# Altium PCB Urukul.PcbDoc (part 6 of 12)
Units mm, origin at the board's own origin, x right, y up, seen from the top; angles counter-clockwise.
Board outline 160.99 x 100 mm, 6 copper layers (L1, P2, L3, L4, P5, L6), stack 1.648 mm thick; 971 components, 541 nets, 3373 pads, 2358 vias.
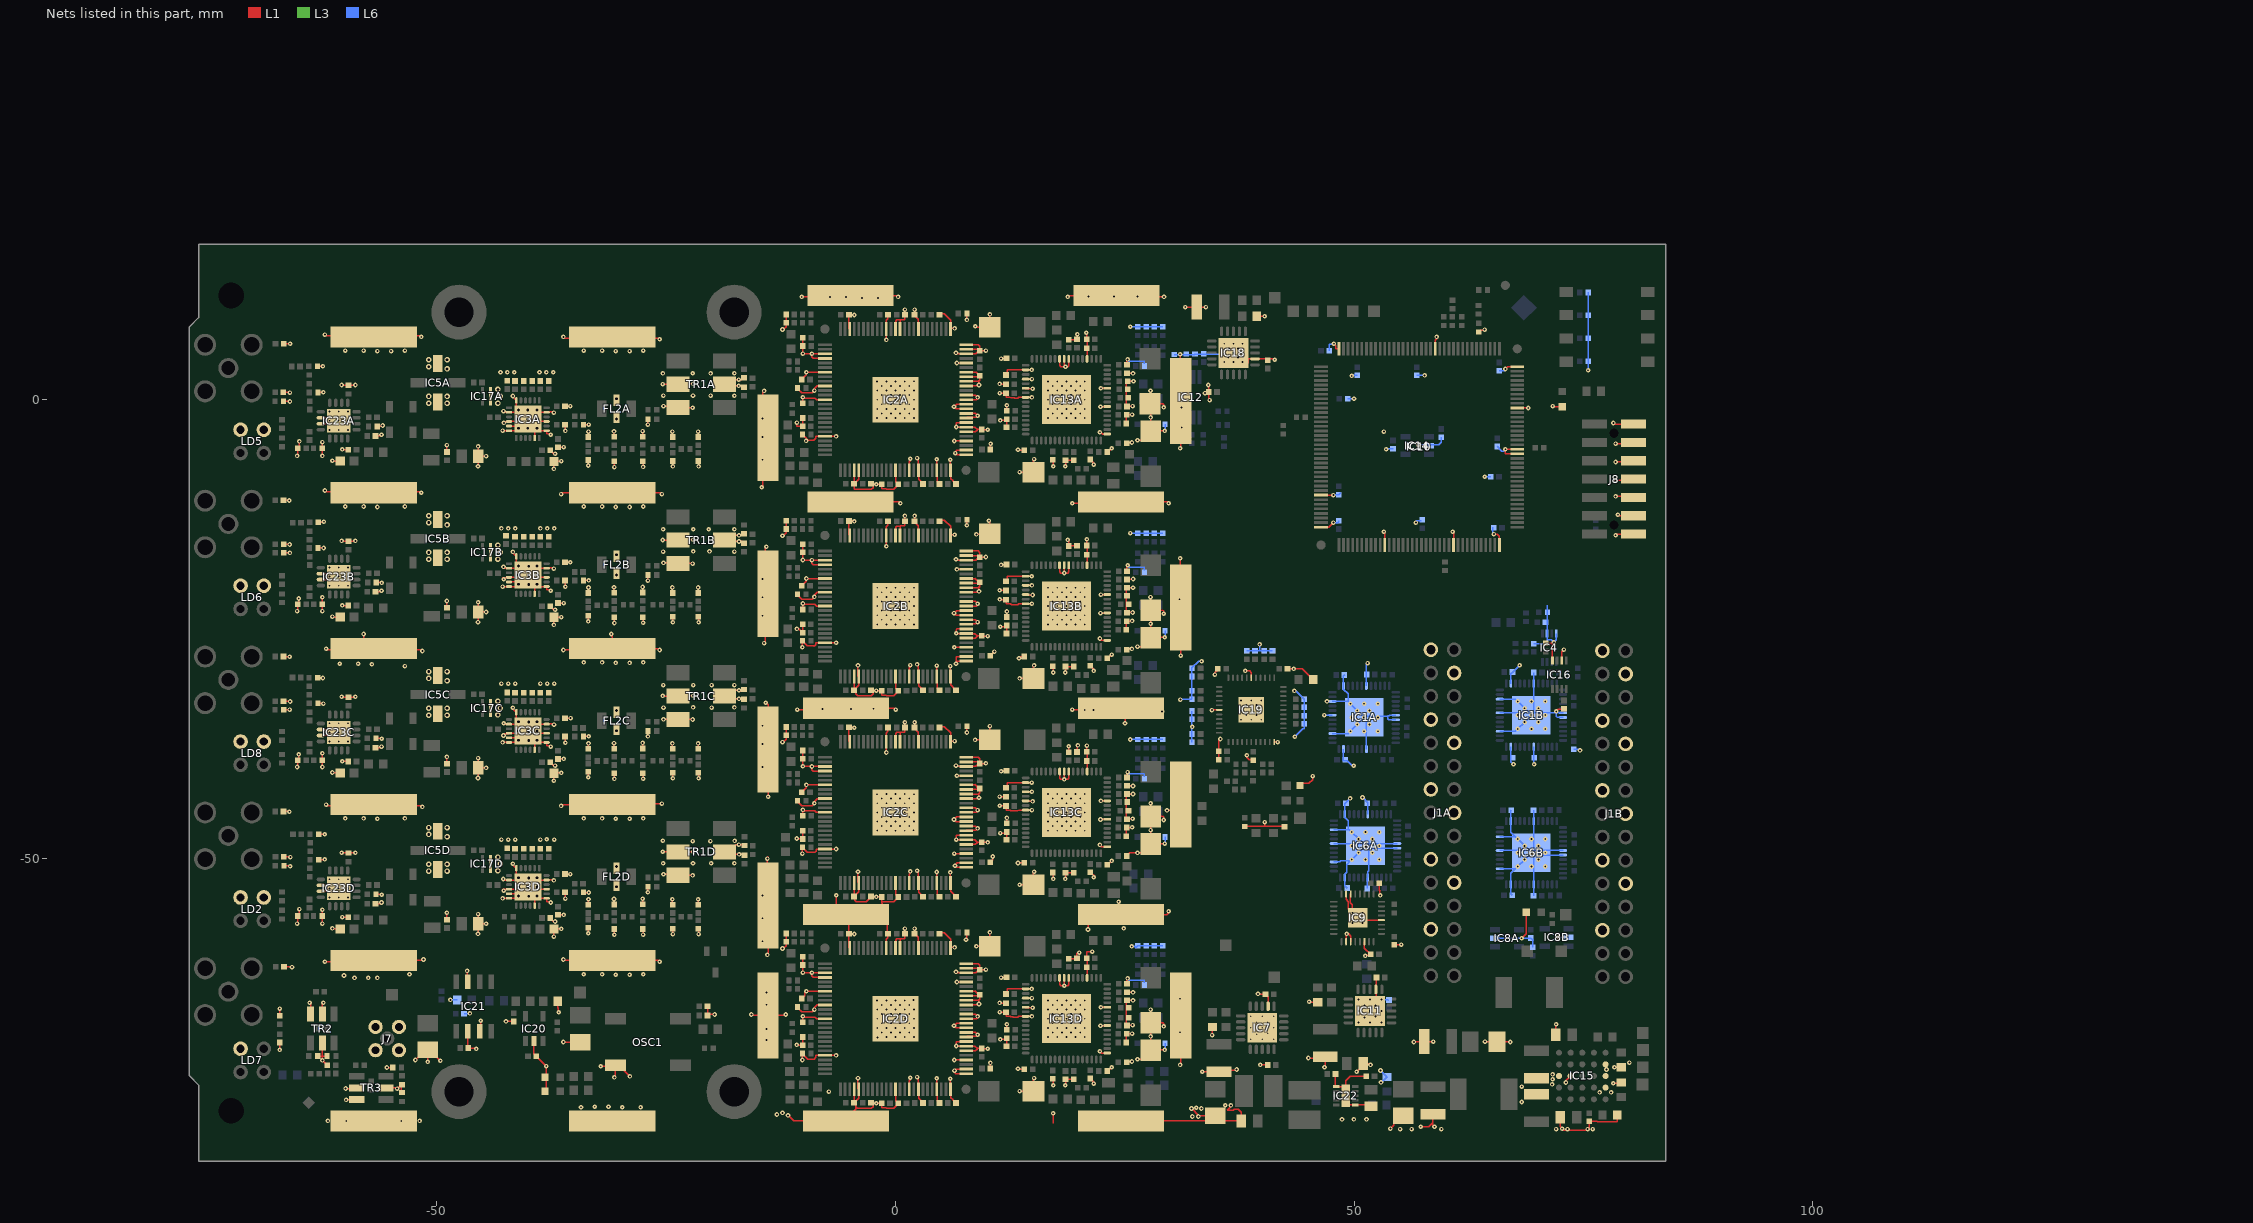
[diagram p10: the nets of this part, all layers, seen from the top]

## Via types
v1: diameter 0.5, hole 0.2, L1 to L6, tented both sides, 2267 vias
v2: diameter 0.6, hole 0.3, L1 to L6, tented both sides, 88 vias
v3: diameter 0.5, hole 0.2, L1 to L6, 3 vias

## Nets (pads, with @x,y where several pads share a name; then routed paths per layer and width w, separated by ;. In a path a pad name is that pad's centre, name@x,y a point inside that pad or via, vN(x,y) a via of type N, cw(c..) or ccw(c..) an arc to the next point about the centre after c; other vN are vias at no path point) (continued)
GND: (continued)
  L1 w0.152: v1(-67.15,-70.903) C42.1@-67.15,-70.103 ; R6.1@-67.15,-67.183 v1(-67.15,-66.403) ; C25.1@-66.753,0.818 -66.094,0.818 v1(-66.043,0.767) ; C35.2@-66.736,-44.902 -66.119,-44.902 v1(-66.094,-44.927) ; C33.2@-66.736,-32.888 -66.043,-32.888 v1(-66.018,-32.913) ; C34.1@-66.736,-28.011 -66.069,-28.011 -66.056,-28.023 -66.043,-28.036 v1(-66.069,-28.036) ; C31.2@-66.736,-10.967 -66.145,-10.967 v1(-66.119,-10.993) ; R64.1@-66.733,-0.182 -66.059,-0.182 v1(-66.043,-0.198) ; C32.1@-66.722,-15.775 -66.087,-15.775 v1(-66.069,-15.793) ; R74.1@-66.716,-33.802 v1(-66.069,-33.802) ; C41.1@-66.711,-49.829 -66.043,-49.829 v1(-65.992,-49.88) ; C11.2@-66.711,6.101 v1(-66.018,6.101) ; R65.1@-66.702,-16.675 -66.076,-16.675 v1(-66.043,-16.708) ; R75.1@-66.691,-50.829 -66.059,-50.829 v1(-66.018,-50.871) ; C37.2@-66.685,-61.844 -65.84,-61.844 v1(-65.815,-61.869) ; v1(-65.25,-57.128) -65.195,-57.073 R18D.1@-65.195,-56.378 ; v1(-65.25,-40.053) -65.195,-39.998 R18C.1@-65.195,-39.303 ; v1(-65.25,-23.053) -65.195,-22.998 R18B.1@-65.195,-22.303 ; v1(-65.25,-6.128) -65.195,-6.073 R18A.1@-65.195,-5.378 ; v1(-65.075,-38.678) -65.075,-39.283 R18C.1@-65.055,-39.303 ; v1(-65.075,-21.678) -65.075,-22.283 R18B.1@-65.055,-22.303 ; R18D.1@-65.055,-56.378 -65.075,-56.358 -65,-56.283 v1(-65,-55.553) ; R18A.1@-65.055,-5.378 -65.075,-5.358 -65,-5.283 v1(-65,-4.553) ; v1(-63.889,-65.756) -63.77,-65.876 TR2.1@-63.77,-66.987 ; R4A.1@-63.033,3.638 v1(-62.436,3.638) ; C69.1@-63.01,-71.577 -62.5,-71.577 ; R4C.1@-63.008,-30.322 -62.462,-30.322 v1(-62.436,-30.348) ; R3C.1@-62.982,-33.116 -62.487,-33.116 -62.462,-33.142 v1(-62.386,-33.142) ; R3B.1@-62.982,-16.174 -62.957,-16.149 -62.386,-16.149 v1(-62.36,-16.174) ; R3A.1@-62.982,0.793 -62.957,0.818 v1(-62.386,0.818) ; R4B.1@-62.932,-13.38 -62.411,-13.38 v1(-62.335,-13.304) ; R3D.1@-62.906,-50.16 -62.259,-50.16 v1(-62.233,-50.134) ; R4D.1@-62.906,-47.391 v1(-62.233,-47.391) ; IC23D.11@-62.671,-53.617 -61.721,-53.617 -61.046,-53.617 v1(-60.721,-53.292) -61.046,-52.967 -61.721,-52.967 IC23D.10@-62.671,-52.967 ; IC23C.11@-62.671,-36.617 -61.721,-36.617 -61.046,-36.617 v1(-60.721,-36.292) -61.046,-35.967 -61.721,-35.967 IC23C.10@-62.671,-35.967 ; IC23B.11@-62.671,-19.617 -61.721,-19.617 IC23B.17@-61.046,-19.617 ; IC23B.10@-62.671,-18.967 -61.721,-18.967 -61.046,-18.967 v1(-60.721,-19.292) ; IC23A.11@-62.671,-2.617 -61.721,-2.617 -61.046,-2.617 v1(-60.721,-2.292) -61.046,-1.967 -61.721,-1.967 IC23A.10@-62.671,-1.967 ; TR2.5@-62.5,-70.167 -62.5,-71.577 ; TR2.2@-62.5,-66.987 -62.5,-65.867 v1(-62.389,-65.756) ; v1(-62.5,-57.128) -62.5,-56.303 -62.5,-55.867 v1(-62.5,-55.628) ; v1(-62.5,-40.053) R19C.1@-62.5,-39.302 -62.5,-38.792 v1(-62.5,-38.553) ; v1(-62.5,-23.053) R19B.1@-62.5,-22.302 v1(-62.5,-21.553) ; v1(-62.5,-6.128) -62.5,-5.303 -62.5,-4.867 v1(-62.5,-4.628) ; v1(-62.221,-61.292) -57.04,-61.292 CLIP19.1@-56.9,-61.153 -51.582,-61.153 v1(-51.471,-61.042) ; v1(-62.221,-9.903) -62.082,-10.042 -56.9,-10.042 -51.832,-10.042 v1(-51.721,-10.153) ; v1(-62.221,7.097) -62.082,6.958 -56.9,6.958 -51.832,6.958 v1(-51.721,6.847) ; v1(-62.094,-44.153) -61.954,-44.292 CLIP16.1@-60,-44.292 ; v1(-62.094,-27.153) -61.954,-27.292 -56.9,-27.292 -51.704,-27.292 v1(-51.594,-27.403) ; C80.2@-61.99,-71.577 -62.5,-71.577 ; R81.1@-61.97,-72.577 v1(-62.5,-72.047) -62.5,-71.577 ; v1(-61.4,-57.653) -61.35,-57.703 C39D.1@-60.55,-57.703 ; v1(-61.4,-40.653) -61.35,-40.703 C39C.1@-60.55,-40.703 ; v1(-61.4,-23.653) -61.35,-23.703 C39B.1@-60.55,-23.703 ; v1(-61.4,-6.653) -61.35,-6.703 C39A.1@-60.55,-6.703 ; v1(-60.4,-49.403) -60.37,-49.433 R138D.1@-59.65,-49.433 -58.93,-49.433 v1(-58.9,-49.403) ; v1(-60.4,-32.403) -60.37,-32.433 R138C.1@-59.65,-32.433 -58.93,-32.433 v1(-58.9,-32.403) ; v1(-60.4,-15.403) -60.37,-15.433 R138B.1@-59.65,-15.433 -58.93,-15.433 v1(-58.9,-15.403) ; v1(-60.4,1.597) -60.37,1.567 R138A.1@-59.65,1.567 -58.93,1.567 v1(-58.9,1.597) ; v1(-60.325,-56.428) -60.35,-56.453 -60.325,-56.453 C40D.1@-59.675,-56.453 ; v1(-60.325,-39.428) -60.35,-39.453 -60.325,-39.453 C40C.1@-59.675,-39.453 ; v1(-60.325,-22.428) -60.35,-22.453 -60.325,-22.453 C40B.1@-59.675,-22.453 ; v1(-60.325,-5.428) -60.35,-5.453 -60.325,-5.453 C40A.1@-59.675,-5.453 ; v1(-59.959,-75.114) -58.816,-75.114 TR3.2@-58.75,-75.048 ; v1(-59.909,-76.358) -58.791,-76.358 TR3.1@-58.75,-76.318 ; v1(-58,-25.553) -58,-26.053 CLIP24.1@-56.9,-27.153 ; C38D.2@-56.7,-54.953 v1@-56.151,-54.953 ; C38C.2@-56.7,-37.953 v1@-56.151,-37.953 ; C38B.2@-56.7,-20.953 v1@-56.151,-20.953 ; C38A.2@-56.7,-3.953 v1@-56.151,-3.953 ; R20D.1@-56.651,-53.922 -56.081,-53.922 v1(-56.025,-53.978) ; R20C.1@-56.651,-36.922 -56.081,-36.922 v1(-56.025,-36.978) ; R20B.1@-56.651,-19.922 -56.607,-19.922 -56.081,-19.922 v1(-56.025,-19.978) ; R20A.1@-56.651,-2.922 -56.531,-2.922 -56.042,-2.922 v1(-55.934,-2.814) ; TR3.5@-55.57,-75.048 -54.423,-75.048 v1(-54.351,-75.119) -53.925,-74.693 -53.91,-74.708 -53.91,-74.715 C191.1@-53.91,-75.558 ; v1(-55.464,-72.828) R45.1@-54.82,-72.828 ; CLIP16.1@-53.5,-44.292 -51.704,-44.292 v1(-51.594,-44.403) ; v1(-52.353,-72.004) -51.997,-71.648 -51.997,-71.546 -51.644,-71.546 C155.2@-51,-70.903 ; v1(-51.006,-72.207) -51,-72.2 C155.2@-51,-70.903 ; v1(-49.635,-72.08) -50.812,-70.903 C155.2@-51,-70.903 ; v1(-48.925,-55.953) -48.925,-56.678 C27D.1@-48.9,-56.703 ; v1(-48.925,-38.953) -48.925,-39.678 C27C.1@-48.9,-39.703 ; v1(-48.925,-21.953) -48.925,-22.678 C27B.1@-48.9,-22.703 ; v1(-48.925,-4.953) -48.925,-5.678 C27A.1@-48.9,-5.703 ; v1(-46.721,-62.292) -46.721,-63.38 IC21.3@-46.635,-63.467 ; IC21.6@-46.635,-68.867 -46.635,-70.643 C174.1@-46.575,-70.703 -45.811,-70.703 v1(-45.721,-70.792) ; v1(-45.525,-58.253) -45.425,-58.153 -45.5,-58.078 C12D.1@-45.5,-57.153 ; v1(-45.525,-41.253) -45.425,-41.153 -45.5,-41.078 C12C.1@-45.5,-40.153 ; v1(-45.525,-24.253) -45.425,-24.153 -45.5,-24.078 C12B.1@-45.5,-23.153 ; v1(-45.525,-7.253) -45.425,-7.153 -45.5,-7.078 C12A.1@-45.5,-6.153 ; v1(-45.512,-56.09) -45.575,-56.153 -45.5,-56.228 C12D.1@-45.5,-57.153 ; v1(-45.512,-39.09) -45.575,-39.153 -45.5,-39.228 C12C.1@-45.5,-40.153 ; v1(-45.512,-22.09) -45.575,-22.153 -45.5,-22.228 C12B.1@-45.5,-23.153 ; v1(-45.512,-5.09) -45.575,-5.153 -45.5,-5.228 C12A.1@-45.5,-6.153 ; IC21.7@-45.365,-68.867 -45.221,-68.723 v1(-45.221,-67.717) ; v1(-44.65,-57.153) C12D.1@-45.5,-57.153 ; v1(-44.65,-40.153) C12C.1@-45.5,-40.153 ; v1(-44.65,-23.153) C12B.1@-45.5,-23.153 ; v1(-44.65,-6.153) C12A.1@-45.5,-6.153 ; v1@-42.89,-53.488 v1@-42.875,-53.503 ; v1@-42.878,-52.319 -42.853,-52.344 -42.819,-52.378 -42.777,-52.378 IC3D.14@-42.15,-52.378 -41.588,-52.378 ; v1(-42.85,-54.378) IC3D.18@-42.15,-54.378 -41.35,-54.378 v2(-41.1,-54.128) IC3D.25@-40.85,-53.878 ; v1(-42.85,-37.378) IC3C.18@-42.15,-37.378 -41.35,-37.378 v2(-41.1,-37.128) IC3C.25@-40.85,-36.878 ; v1(-42.85,-20.378) IC3B.18@-42.15,-20.378 -41.35,-20.378 v2(-41.1,-20.128) IC3B.25@-40.85,-19.878 ; v1(-42.85,-3.378) IC3A.18@-42.15,-3.378 -41.35,-3.378 v2(-41.1,-3.128) IC3A.25@-40.85,-2.878 ; v1@-42.846,-36.532 -42.756,-36.621 v1(-42.751,-36.621) -42.751,-36.481 -42.802,-36.43 -42.775,-36.403 -42.751,-36.403 -42.175,-36.403 IC3C.16@-42.15,-36.378 -41.1,-36.378 IC3C.25@-40.35,-36.378 ; v1(-42.751,-18.232) -42.606,-18.378 IC3B.14@-42.15,-18.378 -41.588,-18.378 ; v1(-42.751,-1.239) -42.613,-1.378 IC3A.14@-42.15,-1.378 -41.588,-1.378 ; v1(-42.726,-53.538) -42.84,-53.538 v1@-42.875,-53.503 ; v1(-42.726,-35.275) -42.733,-35.275 -42.729,-35.272 -42.653,-35.196 -42.65,-35.199 -42.599,-35.25 -42.599,-35.275 -42.599,-35.378 IC3C.14@-42.15,-35.378 -41.588,-35.378 ; v1(-42.726,-19.578) -42.791,-19.578 -42.841,-19.527 -42.846,-19.532 -42.875,-19.503 -42.838,-19.466 -42.775,-19.403 -42.726,-19.403 -42.175,-19.403 IC3B.16@-42.15,-19.378 -41.1,-19.378 IC3B.25@-40.35,-19.378 ; v1(-42.701,-2.535) -42.747,-2.535 -42.798,-2.484 -42.846,-2.532 -42.875,-2.503 -42.804,-2.431 -42.775,-2.403 -42.701,-2.403 -42.175,-2.403 IC3A.16@-42.15,-2.378 -41.1,-2.378 IC3A.25@-40.35,-2.378 ; v1(-42.471,-67.792) -42.461,-67.803 C173.1@-41.62,-67.803 ; IC3D.17@-42.15,-53.878 -41.1,-53.878 IC3D.25@-40.85,-53.878 ; IC3C.17@-42.15,-36.878 -41.1,-36.878 IC3C.25@-40.85,-36.878 ; IC3B.17@-42.15,-19.878 -41.1,-19.878 IC3B.25@-40.85,-19.878 ; IC3A.17@-42.15,-2.878 -41.1,-2.878 IC3A.25@-40.85,-2.878 ; v1(-41.725,-50.603) -41.725,-50.703 IC3D.12@-41.35,-51.078 -41.35,-51.878 v2(-41.1,-52.128) IC3D.25@-40.1,-53.128 IC3D.25@-40.075,-53.153 ; v1(-41.725,-33.603) -41.725,-33.703 IC3C.12@-41.35,-34.078 -41.35,-34.878 v2(-41.1,-35.128) IC3C.25@-40.1,-36.128 IC3C.25@-40.075,-36.153 ; v1(-41.725,-16.603) -41.725,-16.703 IC3B.12@-41.35,-17.078 -41.35,-17.878 v2(-41.1,-18.128) IC3B.25@-40.1,-19.128 IC3B.25@-40.075,-19.153 ; v1(-41.725,0.397) -41.725,0.297 IC3A.12@-41.35,-0.078 -41.35,-0.878 v2(-41.1,-1.128) v2(-40.1,-2.128) ; IC20.2@-39.4,-69.931 -39.471,-70.002 -39.471,-71.301 C171.1@-39.17,-71.603 v1(-38.095,-72.677) -38.095,-73.903 LD1.1@-38.095,-75.297 ; IC3D.23@-39.35,-55.178 -39.35,-54.128 -39.35,-53.878 -40,-53.227 v2(-40,-53.153) ; IC3C.23@-39.35,-38.178 -39.35,-37.128 -39.35,-36.878 -40,-36.227 v2(-40,-36.153) ; IC3B.23@-39.35,-21.178 -39.35,-20.128 -39.35,-19.878 -40,-19.227 v2(-40,-19.153) ; IC3A.23@-39.35,-4.178 -39.35,-3.128 -39.35,-2.878 v2(-40.1,-2.128) ; -38.612,-54.378 IC3D.1@-38.05,-54.378 -38.05,-54.74 -37.688,-54.74 v1(-37.6,-54.828) ; -38.612,-53.378 IC3D.3@-38.05,-53.378 ; -38.612,-37.378 IC3C.1@-38.05,-37.378 -38.05,-37.74 -37.688,-37.74 v1(-37.6,-37.828) ; -38.612,-36.378 IC3C.3@-38.05,-36.378 ; -38.612,-20.378 IC3B.1@-38.05,-20.378 -38.05,-20.74 -37.688,-20.74 v1(-37.6,-20.828) ; -38.612,-19.378 IC3B.3@-38.05,-19.378 ; -38.612,-3.378 IC3A.1@-38.05,-3.378 -38.05,-3.74 -37.688,-3.74 v1(-37.6,-3.828) ; -38.612,-2.378 IC3A.3@-38.05,-2.378 ; C23D.1@-37.65,-56.528 -37.625,-56.528 v1@-37.25,-56.903 ; C23C.1@-37.65,-39.528 -37.625,-39.528 v1@-37.25,-39.903 ; C23B.1@-37.65,-22.528 -37.625,-22.528 v1@-37.25,-22.903 ; C23A.1@-37.65,-5.528 -37.625,-5.528 v1@-37.25,-5.903 ; v1(-37.257,-52.415) -37.346,-52.503 -37.367,-52.503 -37.296,-52.432 -37.4,-52.328 -38,-52.328 IC3D.5@-38.05,-52.378 -39.1,-52.378 -39.35,-52.378 -40,-53.028 -40,-53.128 v2(-40,-53.153) ; v1(-37.257,-1.415) -37.278,-1.415 -37.296,-1.432 -37.4,-1.328 -38,-1.328 IC3A.5@-38.05,-1.378 -39.1,-1.378 -39.35,-1.378 v2(-40.1,-2.128) ; v1(-37.251,-18.421) -37.251,-18.415 -37.265,-18.401 -37.268,-18.404 -37.296,-18.432 -37.4,-18.328 -38,-18.328 IC3B.5@-38.05,-18.378 -39.1,-18.378 -39.35,-18.378 -40,-19.028 -40,-19.128 v2(-40,-19.153) ; v1(-37.25,-58.553) C21D.1@-37.25,-57.728 -37.225,-57.703 v1(-36.45,-57.703) ; v1(-37.25,-41.553) C21C.1@-37.25,-40.728 -37.225,-40.703 v1(-36.45,-40.703) ; v1(-37.25,-24.553) C21B.1@-37.25,-23.728 -37.225,-23.703 v1(-36.45,-23.703) ; v1(-37.25,-7.553) C21A.1@-37.25,-6.728 -37.225,-6.703 v1(-36.45,-6.703) ; v1(-37.24,-35.428) -37.265,-35.428 -37.278,-35.415 -37.296,-35.432 -37.4,-35.328 -38,-35.328 IC3C.5@-38.05,-35.378 -39.1,-35.378 -39.35,-35.378 -40,-36.028 -40,-36.128 v2(-40,-36.153) ; v1@-37.199,-56.954 v1@-37.25,-56.903 ; v1@-37.199,-39.954 v1@-37.25,-39.903 ; v1@-37.199,-22.954 v1@-37.25,-22.903 ; v1@-37.199,-5.954 v1@-37.25,-5.903 ; v1(-37.125,-56.903) v1@-37.25,-56.903 ; v1(-37.125,-39.903) v1@-37.25,-39.903 ; v1(-37.125,-22.903) v1@-37.25,-22.903 ; v1(-37.125,-5.903) v1@-37.25,-5.903 ; R132.1@-36.82,-65.603 -36.82,-66.303 -36.77,-66.353 -36.77,-66.744 v1(-36.721,-66.792) ; C22D.1@-36.8,-56.178 v1(-36.175,-56.178) ; C22C.1@-36.8,-39.178 v1(-36.175,-39.178) ; C22B.1@-36.8,-22.178 v1(-36.175,-22.178) ; C22A.1@-36.8,-5.178 v1(-36.175,-5.178) ; v1(-36.471,-44.292) -36.332,-44.153 CLIP17.1@-30.9,-44.153 -30.79,-44.042 v1(-25.471,-44.042) ; v1(-36.471,-10.292) -36.332,-10.153 CLIP22.1@-30.9,-10.153 -25.611,-10.153 v1(-25.471,-10.292) ; v1(-36.221,-70.042) -36.211,-70.053 C79.2@-34.37,-70.053 ; v1(-36.221,-61.042) -36.111,-61.153 CLIP8.1@-30.9,-61.153 -25.861,-61.153 v1(-25.721,-61.292) ; v1(-36.221,-27.292) CLIP25.1@-31.04,-27.292 ; v1(-36.221,6.847) -36.082,6.708 -30.9,6.708 -25.832,6.708 v1(-25.721,6.597) ; C24D.1@-36.05,-53.728 -36,-53.778 v1(-36,-54.403) ; C14D.1@-36.05,-51.728 -35.468,-51.728 v1(-35.462,-51.734) ; C24C.1@-36.05,-36.728 -36,-36.778 v1(-36,-37.403) ; C14C.1@-36.05,-34.728 -35.447,-34.728 v1(-35.436,-34.716) ; C24B.1@-36.05,-19.728 -36,-19.778 v1(-36,-20.403) ; C14B.1@-36.05,-17.728 -35.465,-17.728 v1(-35.462,-17.724) ; C24A.1@-36.05,-2.728 -36,-2.778 v1(-36,-3.403) ; C14A.1@-36.05,-0.728 -35.483,-0.728 v1(-35.462,-0.706) ; R58D.2@-34.03,-53.728 -34.017,-53.741 v1(-33.455,-53.741) ; R58C.2@-34.03,-36.728 -34,-36.698 v1(-33.455,-36.698) ; R58B.2@-34.03,-19.728 -34.007,-19.705 v1(-33.455,-19.705) ; R58A.2@-34.03,-2.728 -34.015,-2.712 v1(-33.455,-2.712) ; v1(-33.5,-58.178) C202D.2@-33.5,-57.578 ; C207D.1@-33.5,-55.078 -33.5,-54.503 v1(-33.475,-54.478) ; v1(-33.5,-41.178) C202C.2@-33.5,-40.578 ; C207C.1@-33.5,-38.078 -33.5,-37.503 v1(-33.475,-37.478) ; v1(-33.5,-24.178) C202B.2@-33.5,-23.578 ; C207B.1@-33.5,-21.078 -33.5,-20.503 v1(-33.475,-20.478) ; v1(-33.5,-7.178) C202A.2@-33.5,-6.578 ; C207A.1@-33.5,-4.078 -33.5,-3.503 v1(-33.475,-3.478) ; v1(-32.143,-72.684) -30.647,-72.684 OSC1.2@-30.555,-72.593 ; v1(-31,-25.553) -30.9,-25.653 CLIP25.1@-30.9,-27.153 -25.861,-27.153 v1(-25.721,-27.292) ; v1(-30.7,-54.453) -30.7,-55.028 C180D.2@-30.675,-55.053 ; v1(-30.7,-37.453) -30.7,-38.028 C180C.2@-30.675,-38.053 ; v1(-30.7,-20.453) -30.7,-21.028 C180B.2@-30.675,-21.053 ; v1(-30.7,-3.453) -30.7,-4.028 C180A.2@-30.675,-4.053 ; C206D.1@-30.675,-57.728 -30.65,-57.753 v1(-30.65,-58.353) ; C206C.1@-30.675,-40.728 -30.65,-40.753 v1(-30.65,-41.353) ; C206B.1@-30.675,-23.728 -30.65,-23.753 v1(-30.65,-24.353) ; C206A.1@-30.675,-6.728 -30.65,-6.753 v1(-30.65,-7.353) ; v1(-30.65,-73.903) -30.555,-73.808 OSC1.2@-30.555,-72.593 ; v1@-29.071,-73.693 -30.171,-72.593 OSC1.2@-30.555,-72.593 ; C205D.1@-27.575,-55.003 v1(-27.575,-54.428) ; C205C.1@-27.575,-38.003 v1(-27.575,-37.428) ; C205B.1@-27.575,-21.003 v1(-27.575,-20.428) ; C205A.1@-27.575,-4.003 v1(-27.575,-3.428) ; v1(-27.525,-58.328) C176D.2@-27.525,-57.753 ; v1(-27.525,-41.328) C176C.2@-27.525,-40.753 ; v1(-27.525,-24.328) C176B.2@-27.525,-23.753 ; v1(-27.525,-7.328) C176A.2@-27.525,-6.753 ; v1(-27.003,-53.716) -26.994,-53.706 R57D.2@-26.994,-53.126 ; v1(-27.003,-36.723) -26.994,-36.714 R57C.2@-26.994,-36.126 ; v1(-27.003,-19.73) -26.994,-19.721 R57B.2@-26.994,-19.126 ; v1(-27.003,-2.712) -26.994,-2.703 R57A.2@-26.994,-2.126 ; v1(-25.375,-49.303) -25.362,-49.316 TR1D.2@-23.73,-49.316 -23.692,-49.278 v1(-22.075,-49.278) ; v1(-25.375,-32.303) -25.362,-32.316 TR1C.2@-23.73,-32.316 -23.692,-32.278 v1(-22.075,-32.278) ; v1(-25.375,-15.303) -25.362,-15.316 TR1B.2@-23.73,-15.316 -23.692,-15.278 v1(-22.075,-15.278) ; v1(-25.375,1.697) -25.362,1.684 TR1A.2@-23.73,1.684 -23.692,1.722 v1(-22.075,1.722) ; v1(-25.302,-34.869) -23.811,-34.869 -23.777,-34.903 TR1C.3@-23.73,-34.856 -22.147,-34.856 v1(-22.125,-34.878) ; v1(-25.302,-17.8) -23.88,-17.8 -23.777,-17.903 TR1B.3@-23.73,-17.856 -22.147,-17.856 v1(-22.125,-17.878) ; v1(-25.302,-0.706) -23.974,-0.706 -23.777,-0.903 TR1A.3@-23.73,-0.856 -22.147,-0.856 v1(-22.125,-0.878) ; v1(-25.298,-51.751) -23.929,-51.751 -23.777,-51.903 TR1D.3@-23.73,-51.856 -22.147,-51.856 v1(-22.125,-51.878) ; C172D.2@-24.325,-55.053 v1(-24.325,-54.478) ; C172C.2@-24.325,-38.053 v1(-24.325,-37.478) ; C172B.2@-24.325,-21.053 v1(-24.325,-20.478) ; C172A.2@-24.325,-4.053 v1(-24.325,-3.478) ; v1(-24.275,-58.278) C204D.1@-24.275,-57.703 ; v1(-24.275,-41.278) C204C.1@-24.275,-40.703 ; v1(-24.275,-24.278) C204B.1@-24.275,-23.703 ; v1(-24.275,-7.278) C204A.1@-24.275,-6.703 ; C203D.1@-21.525,-55.053 v1(-21.525,-54.478) ; C203C.1@-21.525,-38.053 v1(-21.525,-37.478) ; C203B.1@-21.525,-21.053 v1(-21.525,-20.478) ; C203A.1@-21.525,-4.053 v1(-21.525,-3.478) ; v1(-21.475,-58.278) C164D.2@-21.475,-57.703 ; v1(-21.475,-41.278) C164C.2@-21.475,-40.703 ; v1(-21.475,-24.278) C164B.2@-21.475,-23.703 ; v1(-21.475,-7.278) C164A.2@-21.475,-6.703 ; C101.1@-20.5,-66.153 C102.1@-20.5,-67.153 -20.389,-67.042 v1(-19.721,-67.042) ; R38C.2@-16.6,-32.658 -16.624,-32.634 v1(-17.072,-32.634) -18.284,-32.634 -18.308,-32.658 TR1C.5@-18.65,-32.316 -17.932,-31.598 -17.709,-31.821 -17.582,-31.694 v1(-17.072,-31.694) -16.95,-31.694 -16.823,-31.821 R54C.2@-16.6,-31.598 ; R38B.2@-16.6,-15.658 -16.794,-15.463 v1(-17.072,-15.463) -18.114,-15.463 -18.308,-15.658 TR1B.5@-18.65,-15.316 -17.932,-14.598 -17.727,-14.803 v1(-17.072,-14.803) -16.805,-14.803 R54B.2@-16.6,-14.598 ; R38A.2@-16.6,1.342 -16.776,1.518 -16.789,1.504 v1(-17.097,1.504) -18.119,1.504 -18.132,1.518 -18.308,1.342 TR1A.5@-18.65,1.684 -17.932,2.402 -17.719,2.19 v1(-17.097,2.19) -16.813,2.19 R54A.2@-16.6,2.402 ; R54D.2@-16.589,-48.609 -16.678,-48.52 v1(-17.084,-48.52) -17.444,-48.52 -17.727,-48.803 -17.932,-48.598 TR1D.5@-18.65,-49.316 -18.226,-49.739 -18.074,-49.587 v1(-17.059,-49.587) -16.671,-49.587 -16.6,-49.658 -16.493,-49.658 R38D.2@-16.475,-49.676 ; v1(-15.721,-67.042) -15.611,-67.153 CLIP2.1@-13.9,-67.153 -12.082,-67.153 v1(-11.971,-67.042) ; v1(-14.582,-9.542) -14.471,-9.432 -14.471,-6.553 -14.471,-4.153 -14.471,-4.053 -14.471,-2.053 -14.471,0.818 v1(-14.332,0.958) ; v1(-14.332,-26.542) -14.221,-26.432 -14.221,-23.553 -14.221,-21.553 -14.221,-21.153 -14.221,-19.553 -14.221,-16.182 v1(-14.082,-16.042) ; v1(-14.15,-33.042) -13.9,-33.292 CLIP26.1@-13.9,-38.153 v1(-13.9,-43.292) ; v1(-13.971,-60.542) -13.9,-60.471 CLIP18.1@-13.9,-55.153 -13.9,-51.042 -13.971,-50.971 v1(-13.971,-50.042) -13.971,-49.935 -13.9,-49.863 v1@-13.9,-50.042 ; v1(-12.319,-59.845) -12.242,-59.845 -11.93,-59.533 C87D.1@-11.93,-59.103 C26D.1@-11.93,-58.203 ; v1(-12.319,-37.345) -12.242,-37.345 -11.93,-37.033 C87C.1@-11.93,-36.603 C26C.1@-11.93,-35.703 ; v1(-12.319,-14.845) -12.242,-14.845 -11.93,-14.533 C87B.1@-11.93,-14.103 C26B.1@-11.93,-13.203 ; v1(-12.319,7.655) -12.242,7.655 -11.93,7.967 C87A.1@-11.93,8.397 C26A.1@-11.93,9.297 ; v1(-11.721,-78.042) -11.111,-78.653 CLIP20.1@-5.4,-78.653 -5.4,-78.453 -4.325,-77.378 -4.325,-77.103 ; v1(-10.775,-70.353) -10.725,-70.403 C116D.1@-10.13,-70.403 C118D.1@-10.13,-69.503 ; v1(-10.775,-47.853) -10.725,-47.903 C116C.1@-10.13,-47.903 C118C.1@-10.13,-47.003 ; v1(-10.75,-25) -10.63,-25 -10.581,-24.951 C116B.1@-10.13,-25.403 C118B.1@-10.13,-24.503 ; v1(-10.75,-2.5) -10.75,-2.878 -10.725,-2.903 C116A.1@-10.13,-2.903 C118A.1@-10.13,-2.003 ; v1(-10.721,-33.792) -7.963,-33.792 -5.54,-33.792 CLIP11.1@-5.4,-33.653 -4.864,-33.653 -2.4,-33.653 -0.111,-33.653 v1(0.029,-33.792) ; R112D.2@-10.695,-66.228 -10.695,-66.283 -10.212,-66.766 -9.107,-66.766 v1(-8.852,-66.511) -8.852,-66.427 -8.9,-66.379 -8.521,-66 IC2D.85@-7.7,-66 ; R112C.2@-10.695,-43.728 -10.695,-43.783 -10.212,-44.266 -9.107,-44.266 v1(-8.852,-44.011) -8.852,-43.927 -8.9,-43.879 -8.521,-43.5 IC2C.85@-7.7,-43.5 ; R112B.2@-10.695,-21.228 -10.695,-21.283 -10.212,-21.766 -9.107,-21.766 v1(-8.852,-21.511) -8.852,-21.427 -8.9,-21.379 -8.521,-21 IC2B.85@-7.7,-21 ; R112A.2@-10.695,1.272 -10.695,1.217 -10.212,0.734 -9.107,0.734 v1(-8.852,0.989) -8.852,1.073 -8.9,1.121 -8.521,1.5 IC2A.85@-7.7,1.5 ; C124D.1@-10.23,-65.303 -9.9,-64.973 -9.9,-64.678 v1(-9.722,-64.5) IC2D.82@-7.7,-64.5 ; C124C.1@-10.23,-42.803 -10.23,-42.796 -9.757,-42.322 -9.757,-42.034 v1(-9.722,-42) IC2C.82@-7.7,-42 ; C124B.1@-10.23,-20.303 -10.23,-20.296 -9.757,-19.822 -9.757,-19.534 v1(-9.722,-19.5) IC2B.82@-7.7,-19.5 ; C124A.1@-10.23,2.197 -10.23,2.204 -9.731,2.703 -9.731,2.991 v1(-9.722,3) IC2A.82@-7.7,3 ; v1(-10.221,11.208) v1(-7.15,11.208) v1(-5.4,11.208) -5.04,11.208 CLIP3.1@-4.9,11.347 -3.65,11.347 -1.9,11.347 0.139,11.347 v1(0.279,11.208) ; v1(-10.15,-72.003) R88D.1@-10.15,-71.303 -9.555,-71.898 -8.875,-71.898 -8.692,-71.715 -8.692,-71.542 -8.65,-71.5 IC2D.96@-7.7,-71.5 v1(-6.478,-71.5) ; v1(-10.15,-49.503) R88C.1@-10.15,-48.803 -9.6,-49.353 -8.797,-49.353 -8.665,-49.22 -8.665,-49.093 -8.572,-49 IC2C.96@-7.7,-49 v1(-6.478,-49) ; v1(-10.15,-27.003) R88B.1@-10.15,-26.303 -9.6,-26.853 -8.92,-26.853 -8.875,-26.898 -8.692,-26.715 